# Altium PCB bqZUM_Core_Rev.2.6.PcbDoc (part 1 of 2)
Units mm, origin at the board's own origin, x right, y up, seen from the top; angles counter-clockwise.
Board outline 70.83 x 53.34 mm, 2 copper layers (Top Layer, Bottom Layer), stack 1.27 mm thick; 121 components, 127 nets, 592 pads, 255 vias.
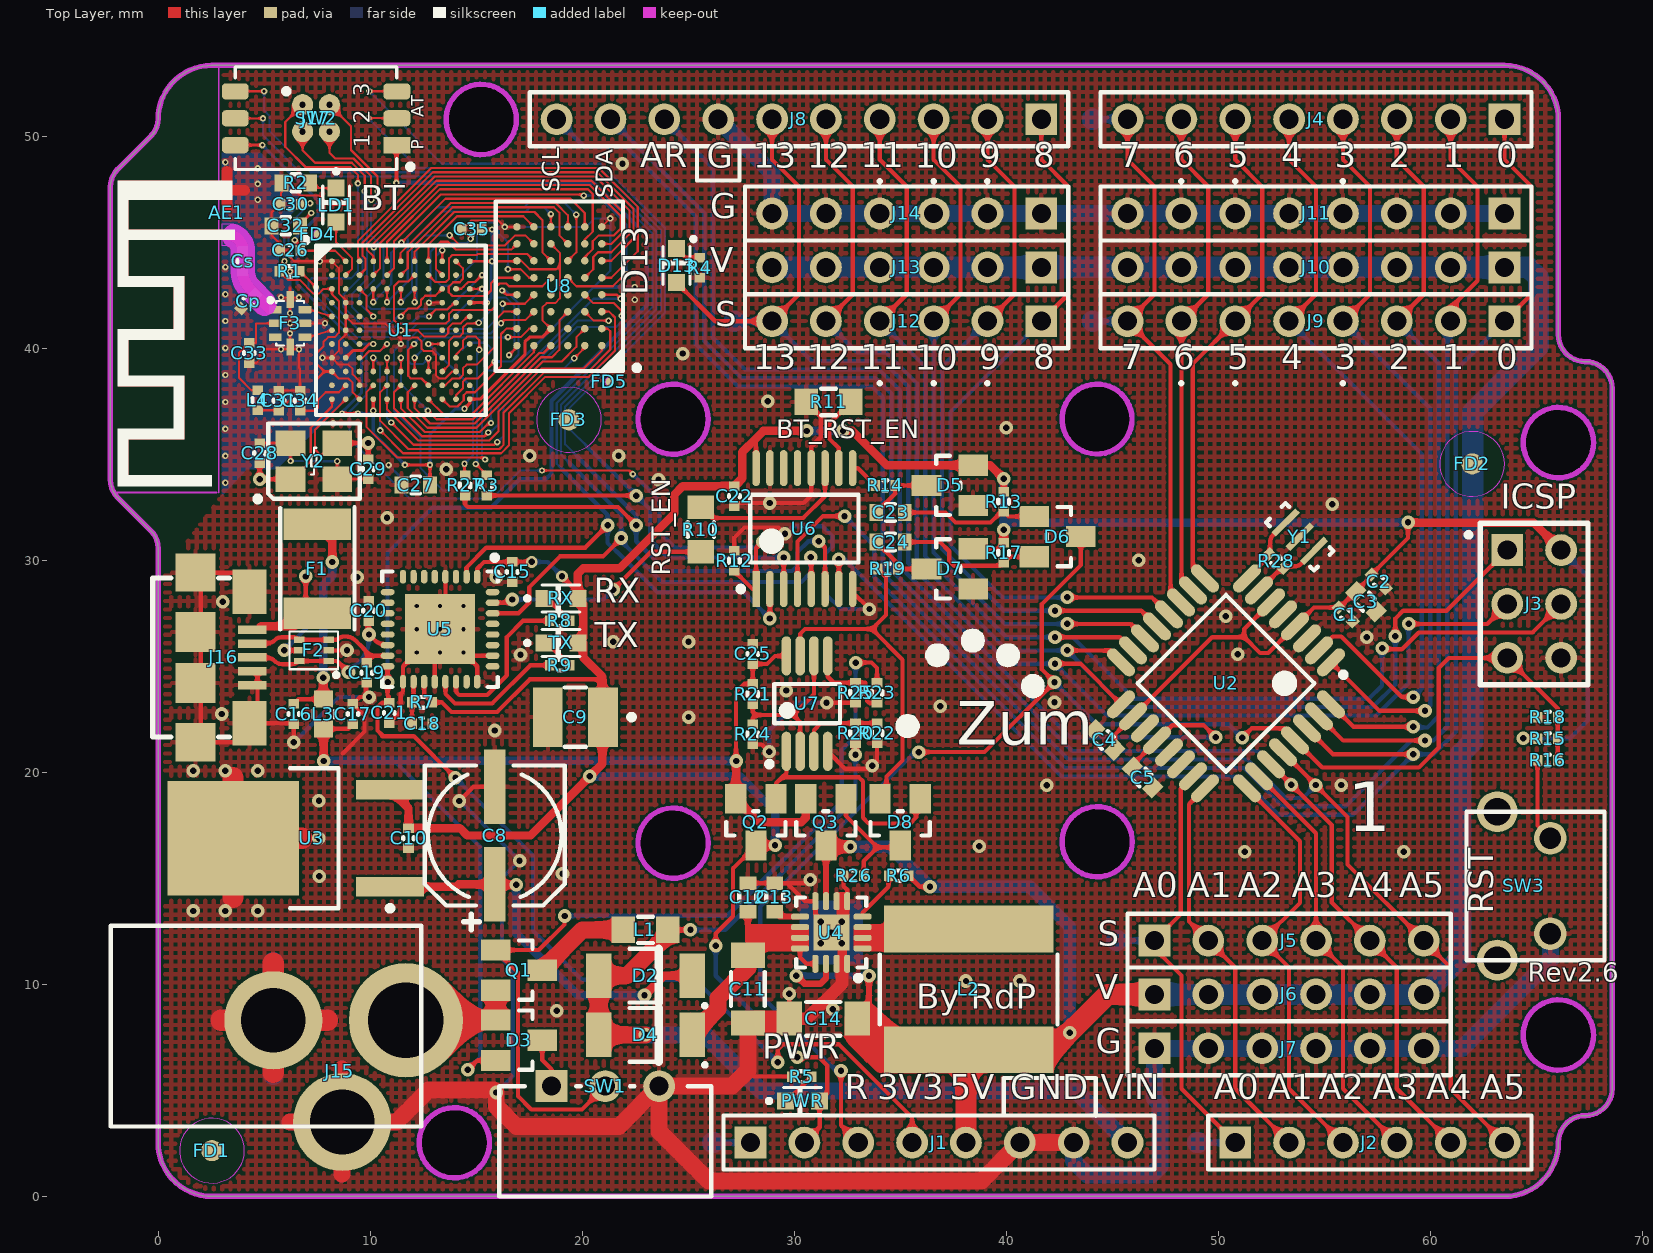
[diagram p0: Top Layer view]
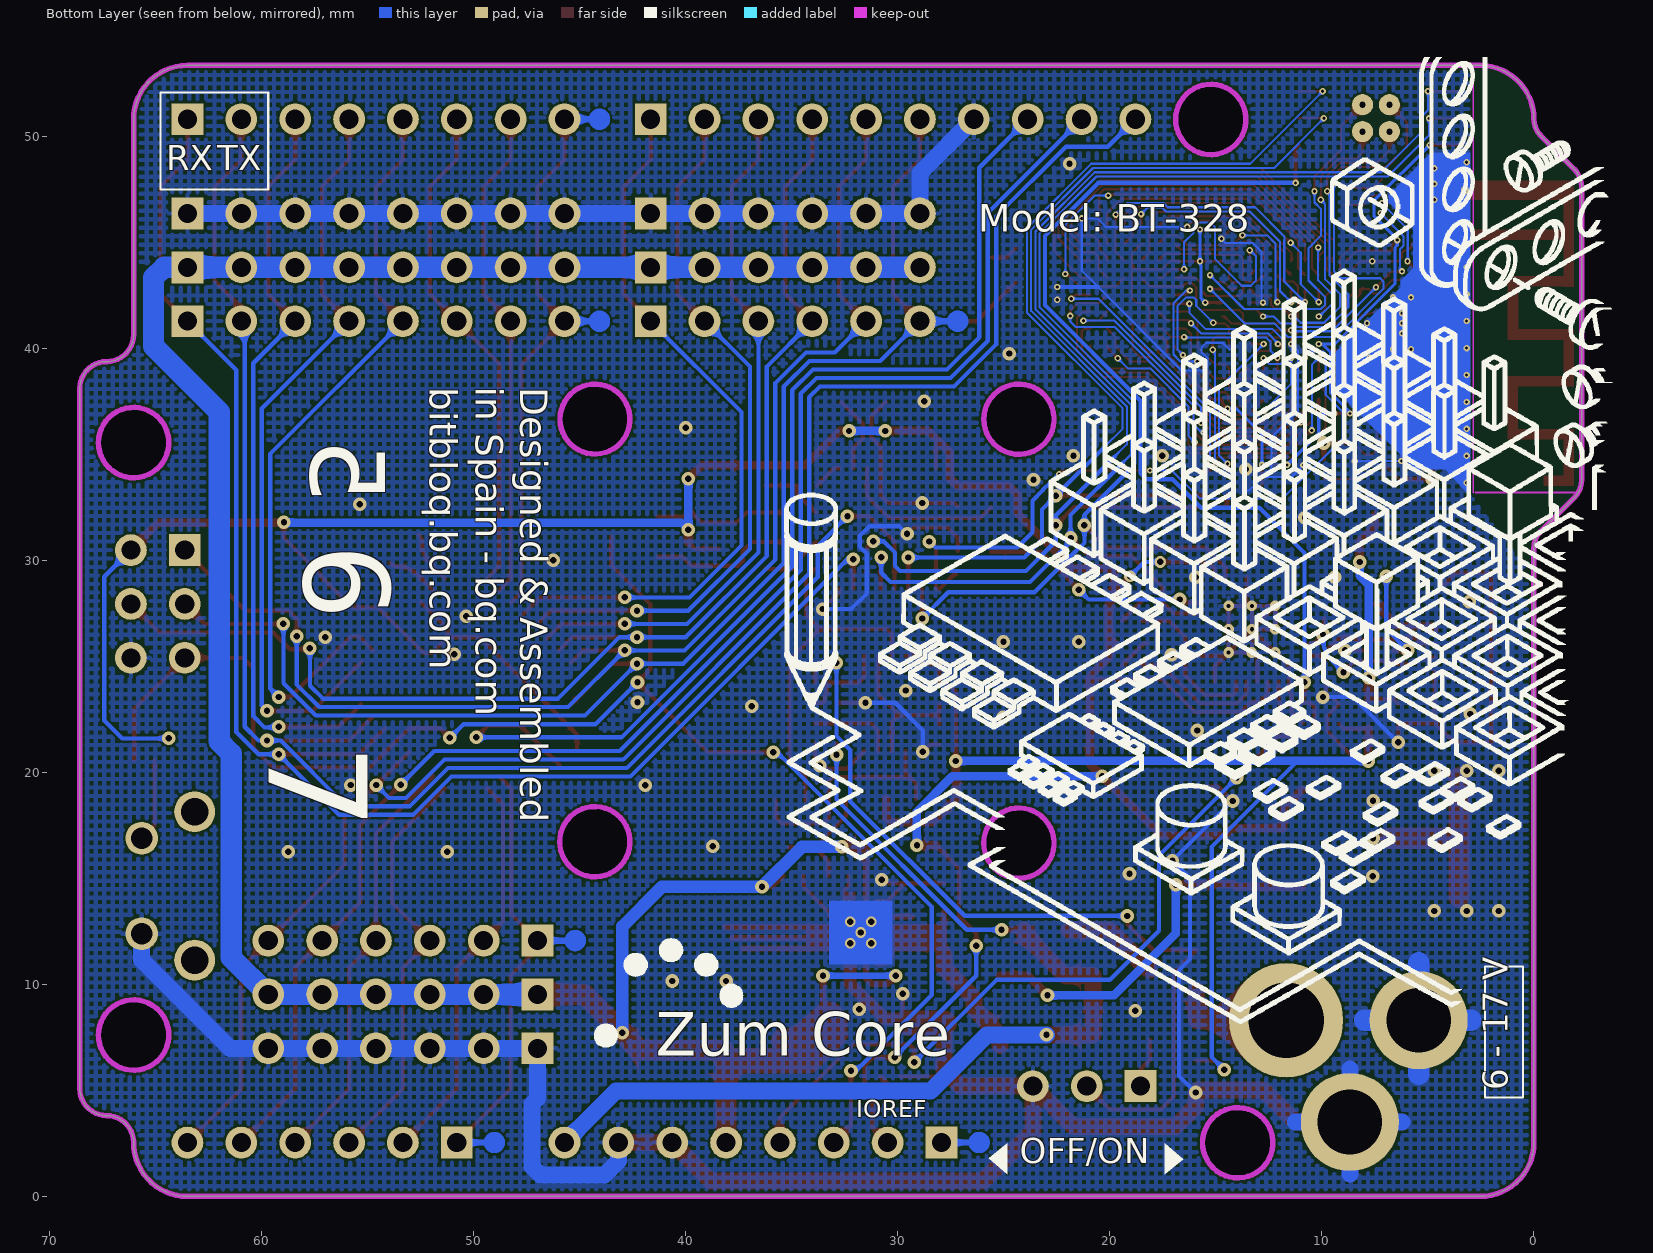
[diagram p1: Bottom Layer view, seen from below]

## Layer stack, top to bottom
Top Solder: solder mask 0.017, Solder Resist, Dk 3.5
Top Layer: signal copper 0.035
Dielectric 1: core 1.2, FR-4, Dk 4.2
Bottom Layer: signal copper 0.035
Bottom Solder: solder mask 0.0102, Solder Resist, Dk 3.5

## Board outline
0,30.6 ccw(c-1.086,30.6) -0.318,31.368 -1.896,32.946 cw(c-1.043,33.8) -2.25,33.8 -2.25,47.6 cw(c-1.043,47.6) -1.896,48.454 -0.318,50.032 ccw(c-1.086,50.8) 0,50.8 cw(c2.54,50.8) 2.54,53.34 63.5,53.34 cw(c63.5,50.8) 66.04,50.8 66.04,40.64 ccw(c67.31,40.64) 67.31,39.37 cw(c67.31,38.1) 68.58,38.1 68.58,5.08 cw(c67.31,5.08) 67.31,3.81 ccw(c67.31,2.54) 66.04,2.54 cw(c63.5,2.54) 63.5,0 2.54,0 cw(c2.54,2.54) 0,2.54
cut-out: 12.319,2.54 ccw(c13.97,2.54) 13.97,0.889 ccw(c13.97,2.54) 15.621,2.54 ccw(c13.97,2.54) 13.97,4.191 ccw(c13.97,2.54)
cut-out: 22.639,36.67 ccw(c24.29,36.67) 24.29,35.019 ccw(c24.29,36.67) 25.941,36.67 ccw(c24.29,36.67) 24.29,38.321 ccw(c24.29,36.67)
cut-out: 42.639,36.67 ccw(c44.29,36.67) 44.29,35.019 ccw(c44.29,36.67) 45.941,36.67 ccw(c44.29,36.67) 44.29,38.321 ccw(c44.29,36.67)
cut-out: 42.639,16.67 ccw(c44.29,16.67) 44.29,15.019 ccw(c44.29,16.67) 45.941,16.67 ccw(c44.29,16.67) 44.29,18.321 ccw(c44.29,16.67)
cut-out: 22.639,16.67 ccw(c24.29,16.67) 24.29,15.019 ccw(c24.29,16.67) 25.941,16.67 ccw(c24.29,16.67) 24.29,18.321 ccw(c24.29,16.67)
cut-out: 13.589,50.8 ccw(c15.24,50.8) 15.24,49.149 ccw(c15.24,50.8) 16.891,50.8 ccw(c15.24,50.8) 15.24,52.451 ccw(c15.24,50.8)
cut-out: 64.389,35.56 ccw(c66.04,35.56) 66.04,33.909 ccw(c66.04,35.56) 67.691,35.56 ccw(c66.04,35.56) 66.04,37.211 ccw(c66.04,35.56)
cut-out: 64.389,7.62 ccw(c66.04,7.62) 66.04,5.969 ccw(c66.04,7.62) 67.691,7.62 ccw(c66.04,7.62) 66.04,9.271 ccw(c66.04,7.62)

## Design rules (kind name [scope] priority, off if disabled: settings)
Clearance Clearance_KO [OnLayer('Keep-Out Layer')] p1: gap=0.1
Clearance [All] p2: gap=0.1
DiffPairsRouting [All] p1: maxlimit=4 minlimit=0.4 mostfreqgap=0.4 toplayer_minwidth=0.2 toplayer_maxwidth=4 toplayer_prefwidth=0.2 bottomlayer_minwidth=0.2 bottomlayer_maxwidth=4 bottomlayer_prefwidth=0.2 maxuncoupledlength=12.7
HoleSize [All] p1: absolutevalues=TRUE maxlimit=3.6 minlimit=0.15 maxpercent=80.000 minpercent=20.000
MinimumSolderMaskSliver [All] p1: minsoldermaskwidth=0.07
PlaneClearance [All] p1: clearance=0.2
PlaneConnect [All] p1: planeconnectstyle=Relief reliefexpansion=0.64 reliefentries=4 reliefconductorwidth=0.3 reliefairgap=0.1
PolygonConnect [(InComponentClass('All Components'))] p1: connectstyle=Relief reliefconductorwidth=0.2 reliefentries=4 polygonreliefangle="90 Angle" airgapwidth=0.15
PolygonConnect PolygonConnect_Via [All] p2: connectstyle=Direct reliefconductorwidth=0.2 reliefentries=4 polygonreliefangle="90 Angle" airgapwidth=0.15
RoutingVias [All] p1: holewidth=0.15 width=0.3 viastyle="Through Hole" minholewidth=0.15 minwidth=0.3 maxholewidth=1 maxwidth=1.5
SilkToBoardRegionClearance [All] p1 off:
SilkToSilkClearance [All] p1: silktosilkclearance=0.05
SilkToSolderMaskClearance [IsPad] p1: minsilkscreentomaskgap=0 clearancetoexposedcopper=TRUE
SolderMaskExpansion [All] p1: expansion=0.05
Width [All] p1: maxlimit=1.6 minlimit=0.1 preferedwidth=0.1
22 further rules are at their usual default settings.

## Classes and differential pairs
component class U_bqZUM_PowerManager: C25 D8 Q2 Q3 R20 R21 R22 R23 R24 R25 R26 U7
component class U_bqZUM_Autoreset: C23 C24 D5 D6 D7 R13 R14 R15 R16 R17 R18 R19 SW3
component class bqZUM_BT_328: FD1 FD2 FD3
net class D[13..0]: D0 D1 D2 D3 D4 D5 D6 D7 D8 D9 D10 D11 D12 D13
net class A[5..0]: A0 A1 A2 A3 A4 A5
component class U_bqZUM_USB: C15 C16 C17 C18 C19 C20 C21 F1 F2 J16 L3 R7 R8 R9 RX TX U5
component class U_bqZUM_usbBtAdapter: C22 R10 R11 R12 SW2 U6
component class U_bqZUM_Power: C8 C9 C10 C11 C12 C13 C14 D2 D3 D4 J15 L1 L2 PWR Q1 R5 R6 SW1 U3 U4
component class U_bqZUM_MCU: C1 C2 C3 C4 C5 D13 G ICSP J1 J2 J3 J4 J5 J6 J7 J9 J10 J11 J12 J13 J14 R4 R28 S U2 V Y1
component class U_bqZUM_Bluetooth: AE1 BT C26 C27 C28 C29 C30 C31 C32 C33 C34 C35 Cp Cs F3 FD4 FD5 J17 L4 LD1 R1 R2 R3 R27 U1 U8 Y2
net class AD[18..0]: AD0 AD1 AD2 AD3 AD4 AD5 AD6 AD7 AD8 AD9 AD10 AD11 AD12 AD13 AD14 AD15 AD16 AD17 AD18
net class DQ[15..0]: DQ0 DQ1 DQ2 DQ3 DQ4 DQ5 DQ6 DQ7 DQ8 DQ9 DQ10 DQ11 DQ12 DQ13 DQ14 DQ15
differential pair USB_MCU: +USB_MCU_P -USB_MCU_N

## Components (designator, comment, footprint, x,y, rotation, side; value= is the part's Value field where it differs from the comment)
AE1 "OrderingCode" IFA_2,45GHZ_50OHM 3.25,45.35 r270 top
C1 "Capacitor" C0402 56.007,27.443 r135 top
C2 "Capacitor" C0402 57.566,28.996 r135 top
C3 "Capacitor" C0603 56.966,28.046 r135 top
C4 "Capacitor" C0603 44.65,21.53 r315 top
C5 "Capacitor" C0603 46.428,19.752 r135 top
C8 "Electrolytic" CASE_D_7.7 15.875,17.018 r90 top
C9 "Tantalum" CASE_B_3528-1411 19.685,22.606 r180 top
C10 "Capacitor" C0402 11.811,16.891 r90 top
C11 "Capacitor" C1206 27.813,9.779 r90 top
C12 "Capacitor" C0603 27.813,14.097 r270 top
C13 "Capacitor" C0603 29.083,14.097 r270 top
C14 "Capacitor" C1206 31.369,8.382 r0 top
C15 "Capacitor" C0402 16.7,29.45 r90 top
C16 "Capacitor" C0402 6.397,22.75 r90 top
C17 "Capacitor" C0402 9.191,22.75 r270 top
C18 "Capacitor" C0402 12.45,22.3 r180 top
C19 "Capacitor" C0402 9.849,24.692 r90 top
C20 "Capacitor" C0402 9.93,27.612 r270 top
C21 "Capacitor" C0402 10.9,22.8 r270 top
C22 "Capacitor" C0402 27.178,33.02 r270 top
C23 "Capacitor" C0603 34.544,32.258 r0 top
C24 "Capacitor" C0603 34.544,30.861 r0 top
C25 "Capacitor" C0402 28.044,25.583 r90 top
C26 "Capacitor" C0402 6.225,44.625 r0 top
C27 "Capacitor" C0603 12.15,33.55 r0 top
C28 "Capacitor" C0402 4.79,35.05 r270 top
C29 "Capacitor" C0402 9.91,34.3 r90 top
C30 "Capacitor" C0402 6.25,46.8 r0 top
C31 "Capacitor" C0402 5.7,37.525 r270 top
C32 "Capacitor" C0603 6.025,45.775 r0 top
C33 "Capacitor" C0402 4.3,39.775 r90 top
C34 "Capacitor" C0402 6.7,37.525 r270 top
C35 "Capacitor" C0402 14.8,45.6 r180 top
Cp "Capacitor" C0402 4.254,42.206 r45 top
Cs "Capacitor" C0402 4,44.1 r270 top
D2 "PMEG3030EP" SOD128 22.987,10.414 r0 top
D3 "BAT54C-G3-08" SOT23-3 17.02,7.365 r90 top
D4 "PMEG3030EP" SOD128 22.987,7.62 r0 top
D5 "BAT54S" SOT23-3 37.338,33.528 r270 top
D6 "BAT54A-G3-08" SOT23-3 42.418,31.115 r90 top
D7 "BAT54S" SOT23-3 37.338,29.591 r270 top
D8 "BAT54C-G3-08" SOT23-3 34.999,17.653 r0 top
D13 "Green" LED0603 24.45,43.9 r180 top
F1 "PTC_Fuse" F1812 7.51,29.6 r90 top
F2 "ESDUSB" SOT563 7.35,25.75 r180 top
F3 "BP_Filter_Balun" 2450FB15K0005 6.225,41.175 r90 top
FD1 "Fiducial" Fiducial 2.54,2.159 r0 top
FD2 "Fiducial" Fiducial 61.976,34.544 r0 top
FD3 "Fiducial" Fiducial 19.375,36.625 r0 top
FD4 "Fiducial" Fiducial_Local_0.4mm 7.525,45.375 r90 top
FD5 "Fiducial" Fiducial_Local_0.4mm 21.285,38.416 r90 top
J1 "1x8 Socket Header 2.54mm" "1x8 Socket Header THT 2.54mm" 27.94,2.54 r0 top
J2 "1x6 Socket Header 2.54mm" "1x6 Socket Header THT 2.54mm" 50.8,2.54 r0 top
J3 "2x3 pin Header 2.54mm" "2x3 Pin Header 2.54" 63.627,30.48 r270 top
J4 "1x8 Socket Header 2.54mm" "1x8 Socket Header THT 2.54mm" 63.5,50.8 r180 top
J5 "1x6 pin Header 2.54mm" "1x6 Pin Header 2.54" 46.99,12.065 r0 top
J6 "1x6 pin Header 2.54mm" "1x6 Pin Header 2.54" 46.99,9.525 r0 top
J7 "1x6 pin Header 2.54mm" "1x6 Pin Header 2.54" 46.99,6.985 r0 top
J8 "1x10 Socket Header 2.54mm" "1x10 Socket Header THT 2.54mm" 41.656,50.8 r180 top
J9 "1x8 pin Header 2.54mm" "1x8 Pin Header 2.54" 63.5,41.275 r180 top
J10 "1x8 pin Header 2.54mm" "1x8 Pin Header 2.54" 63.5,43.815 r180 top
J11 "1x8 pin Header 2.54mm" "1x8 Pin Header 2.54" 63.5,46.355 r180 top
J12 "1x6 pin Header 2.54mm" "1x6 Pin Header 2.54" 41.656,41.275 r180 top
J13 "1x6 pin Header 2.54mm" "1x6 Pin Header 2.54" 41.656,43.815 r180 top
J14 "1x6 pin Header 2.54mm" "1x6 Pin Header 2.54" 41.656,46.355 r180 top
J15 "Power_Jack" "Jack 2.1" 11.684,8.306 r270 top
J16 "USB_Micro_Type_B" USB_Micro_B 3.1,25.417 r270 top
J17 "2x2 Header 1.27mm" "2x2 Header THT 1.27mm" 7.45,50.85 r270 top
L1 "742792012" L0805 22.987,12.573 r0 top
L2 "2,2uH 6,3A" SRN8040 38.23,9.76 r270 top
L3 "BLM18SG121TN1D" L0603 7.794,22.75 r270 top
L4 "15nH 0,3A" L0402 4.7,37.55 r270 top
LD1 "Blue" LED0603 8.4,46.75 r180 top
PWR "Green" LED0603 30.4,4.5 r270 top
Q1 "DMP3098L-7" SOT23-3 17.019,10.668 r90 top
Q2 "DMP2035U-7" SOT23-3 28.194,17.653 r0 top
Q3 "DMP2035U-7" SOT23-3 31.496,17.653 r0 top
R1 "Resistor" R0402 6.2,43.625 r180 top
R2 "Resistor" R0603 6.5,47.8 r0 top
R3 "Resistor" R0402 15.494,33.528 r270 top
R4 "Resistor" R0402 25.55,43.8 r90 top
R5 "Resistor" R0402 30.35,5.65 r0 top
R6 "Resistor" R0402 34.925,15.125 r0 top
R7 "Resistor" R0402 12.45,23.3 r0 top
R8 "Resistor" R0402 18.95,27.15 r0 top
R9 "Resistor" R0402 18.95,25.05 r0 top
R10 "Resistor" R0805 25.6,31.45 r90 top
R11 "Resistor" R0805 31.623,37.465 r0 top
R12 "Resistor" R0402 27.178,29.972 r270 top
R13 "Resistor" R0402 39.878,32.766 r90 top
R14 "Resistor" R0402 34.29,33.528 r0 top
R15 "Resistor" R0402 65.532,21.59 r180 top
R16 "Resistor" R0402 65.532,20.574 r0 top
R17 "Resistor" R0402 39.878,30.353 r90 top
R18 "Resistor" R0402 65.532,22.606 r0 top
R19 "Resistor" R0402 34.417,29.591 r0 top
R20 "Resistor" R0402 32.893,21.844 r270 top
R21 "Resistor" R0402 28.044,23.69 r90 top
R22 "Resistor" R0402 33.911,21.844 r90 top
R23 "Resistor" R0402 33.906,23.749 r90 top
R24 "Resistor" R0402 28.044,21.79 r90 top
R25 "Resistor" R0402 32.893,23.749 r90 top
R26 "Resistor" R0402 32.802,15.125 r0 top
R27 "Resistor" R0402 14.478,33.528 r270 top
R28 "Resistor" R0402 52.736,29.962 r315 top
RX "Green" LED0603 19,28.2 r270 top
SW1 "SPDT Switch" "Slide SW SPDT Right Angle" 18.55,5.2 r0 top
SW2 "SW DIP3 Vertical SMD" "SW DIP3 SMD 1.27" 7.45,50.845 r90 top
SW3 "Switch" SW_Vert_THT_7.5x6x6.5 65.659,16.891 r270 top
TX "Red" LED0603 19,26.1 r270 top
U1 "BC417143B-GIQN-E4" TFBGA96P8X8 11.45,40.85 r0 top
U2 "ATMEGA328P" TQFP32 50.365,24.197 r225 top
U3 "TL720M05QKVURQ1" TO-252 5.461,16.891 r180 top
U4 "TPS62133RGTR" QFN16 31.75,12.446 r180 top
U5 "FT232RQ R" QFN32 13.3,26.75 r270 top
U6 "SN74CBT3257CPWR" TSSOP16 30.48,31.496 r0 top
U7 "LMV612MM/NOPB" VSSOP8 30.607,23.241 r90 top
U8 "MX29LV800CBXEC-70G" TFBGA48P6X8 18.925,42.925 r180 top
Y1 "CSTCE16M0V53-R0" Resonator_1.3x3.2 53.848,31.115 r315 top
Y2 "403C11A26M00000" "XTAL 3.2x2.5" 7.35,34.675 r0 top

## Footprints (in the part's own frame and the unit in brackets; to place one, negate y for a bottom-side part, rotate by r counter-clockwise, add the part's x,y. Pads: shape width x height; smd on the part's side, far side on the other; paste and mask are expansions set on the pad)
"1x6 Pin Header 2.54" [mm] "6 pin Header pitch 2.54mm"
  rect 1.5x1.5 hole 0.9: 1(0,0)
  round 1.5 hole 0.9: 2(2.54,0) 3(5.08,0) 4(7.62,0) 5(10.16,0) 6(12.7,0)
  silkscreen extent -1.27,-1.27 13.97,1.27, body extent -1.26,-1.25 13.98,1.29, height 8.43
"1x6 Socket Header THT 2.54mm" [mm] "6 Socket Header pitch 2.54mm"
  rect 1.5x1.5 hole 0.9: 1(0,0)
  round 1.5 hole 0.9: 2(2.54,0) 3(5.08,0) 4(7.62,0) 5(10.16,0) 6(12.7,0)
  silkscreen extent -1.27,-1.27 13.97,1.27, body extent -1.39,-1.25 14.1,1.25, height 8.5
"1x8 Pin Header 2.54" [mm] "8 pin Header pitch 2.54mm"
  rect 1.5x1.5 hole 0.9: 1(0,0)
  round 1.5 hole 0.9: 2(2.54,0) 3(5.08,0) 4(7.62,0) 5(10.16,0) 6(12.7,0) 7(15.24,0) 8(17.78,0)
  silkscreen extent -1.27,-1.27 19.05,1.27, body extent -1.26,-1.25 19.06,1.29, height 8.43
"1x8 Socket Header THT 2.54mm" [mm] "8 Socket Header pitch 2.54mm"
  rect 1.5x1.5 hole 0.9: 1(0,0)
  round 1.5 hole 0.9: 2(2.54,0) 3(5.08,0) 4(7.62,0) 5(10.16,0) 6(12.7,0) 7(15.24,0) 8(17.78,0)
  silkscreen extent -1.27,-1.27 19.05,1.27, body extent -1.4,-1.23 19.17,1.27, height 8.5
"1x10 Socket Header THT 2.54mm" [mm] "10 Socket Header pitch 2.54mm"
  rect 1.5x1.5 hole 0.9: 1(0,0)
  round 1.5 hole 0.9: 2(2.54,0) 3(5.08,0) 4(7.62,0) 5(10.16,0) 6(12.7,0) 7(15.24,0) 8(17.78,0) 9(20.32,0) 10(22.86,0)
  silkscreen extent -1.27,-1.27 24.13,1.27, body extent -1.4,-1.27 24.26,1.23, height 8.5
"2x2 Header THT 1.27mm" [mm] "4 dual pin Header THT pitch 1.27mm"
  round 1 hole 0.3 mask+0.08: 1(-0.635,-0.635) 2(-0.635,0.635) 3(0.635,-0.635) 4(0.635,0.635)
  silkscreen extent -1.39,-1.52 -1.15,-1.28
"2x3 Pin Header 2.54" [mm] "6 dual pin Header pitch 2.54mm"
  rect 1.5x1.5 hole 0.9: 1(0,0)
  round 1.5 hole 0.9: 2(0,2.54) 3(2.54,0) 4(2.54,2.54) 5(5.08,0) 6(5.08,2.54)
  silkscreen extent -1.27,-1.27 6.35,3.81, body extent -1.25,-1.27 6.37,3.81, height 5.94
2450FB15K0005 [mm] "2.4 to 2.5 GHz Band Pass Filter Balun"
  rrect10% 0.35x0.6 smd: 1(0.65,0.7) 2(0,0.7) 3(-0.65,0.7) 5(-0.65,-0.7) 6(0,-0.7) 7(0.65,-0.7)
  rrect10% 0.8x0.35 smd: 4(-1.125,0) 8(1.125,0)
  silkscreen extent -1.05,-0.65 1.19,1.02, body extent -1,-0.62 1,0.63, height 0.8
C0402 [mm] "Chip Capacitor, Body 1.0x0.5mm, IPC High Density"
  rect 0.45x0.5 smd: 1(-0.475,0) 2(0.475,0)
  silkscreen extent -0.05,-0.25 0.05,0.25, body extent -0.51,-0.25 0.49,0.25, height 0.5
C0603 [mm] "Chip Capacitor, Body 1.6x0.8mm, IPC High Density"
  rect 0.65x0.8 smd: 1(-0.675,0) 2(0.675,0)
  silkscreen extent -0.2,-0.4 0.2,0.4, body extent -0.81,-0.4 0.79,0.4, height 0.6
C1206 [mm] "Chip Capacitor, Body 3.2x1.6mm, IPC High Density"
  rect 1.2x1.6 smd: 1(-1.6,0) 2(1.6,0)
  silkscreen extent -0.8,-0.8 0.8,0.79, body extent -1.59,-0.8 1.61,0.8, height 1
CASE_B_3528-1411 [mm] "Capacitor, SM Tantalum; Body 3.5 x 2.8 mm (LxW typ)"
  rect 1.4x2.8 smd: 1(-1.3,0) 2(1.3,0)
  silkscreen extent -2.74,-1.4 0.5,1.4, body extent -1.75,-1.4 1.75,1.4, height 1.9
CASE_D_7.7 [mm] "SMD Al Capacitor, Flat 6.6x6.6mm, Diameter 6.3mm"
  rect 3.5x1 smd: 1(-2.3,0) 2(2.3,0)
  silkscreen extent -3.3,-3.3 3.3,3.3, body extent -3.5,-3.3 3.5,3.3, height 7.7
F1812 [mm] "PTC Resettable Fuse 1812 package  4.55mm x 3.24mm"
  rect 1.5x3.2 smd: 1(-2.1,0) 2(2.1,0)
  silkscreen extent -2.87,-1.75 2.9,1.75, body extent -2.36,-1.7 2.37,1.71, height 1.34
Fiducial [mm] "Marcas Fiduciales para montador"
  round 1 smd paste+0 mask+0.85: ""(0,0)
  Top Layer keep-out circle w0.05: c0,0 r1.53
Fiducial_Local_0.4mm [mm] "Marca Fiducial local para montador"
  round 0.4 smd paste+0 mask+0: ""(0,0)
  Top Layer keep-out circle w0.05: c0,0 r0.21
IFA_2,45GHZ_50OHM [mm] "Inverted F Antenna, 2.45GHz, 50 Ohm, 15.2 x 5.7mm"
  rect 0x0 smd paste+0 mask+0: FEED(0,0)
  round 0.4 hole 0.2 mask-0.2: GND(-2.1,0)
  Top Layer region: -0.249,-4.65 0.251,-4.65 0.251,0.25 -0.249,0.25
  Top Layer region: -2.55,-4.65 -1.65,-4.65 -1.65,0.25 -2.55,0.25
  Top Layer region: -2.55,-5.15 2.45,-5.15 2.45,-4.65 -2.55,-4.65
  Top Layer region: 1.95,-4.65 2.45,-4.65 2.45,-2.009 1.95,-2.009
  Top Layer region: 2.45,-2.511 4.451,-2.511 4.451,-2.011 2.45,-2.011
  Top Layer region: 4.451,-4.65 4.951,-4.65 4.951,-2.01 4.451,-2.01
  Top Layer region: 4.45,-5.15 7.15,-5.15 7.15,-4.65 4.45,-4.65
  Top Layer region: 6.65,-4.65 7.15,-4.65 7.15,-2.01 6.65,-2.01
  Top Layer region: 7.15,-2.51 9.15,-2.51 9.15,-2.01 7.15,-2.01
  Top Layer region: 9.15,-4.65 9.65,-4.65 9.65,-2.01 9.15,-2.01
  Top Layer region: 9.15,-5.15 11.85,-5.15 11.85,-4.65 9.15,-4.65
  Top Layer region: 11.35,-4.65 11.85,-4.65 11.85,-3.7 11.35,-3.7
  Keep-Out Layer lines w0.08: 12.15,-5.44 12.15,-0.49 ; 12.15,-0.39 0.577,-0.39
"Jack 2.1" [mm] "DC Power Jack 2,1mm"
  round 5.38 hole 3.56: 1(0,0)
  round 4.62 hole 3.05: 2(4.8,-3) 3(0,-6.25)
  silkscreen extent -4.46,-13.91 5.01,0.73, body extent -4.44,-13.86 5.08,0.74, height 10.92
L0402 [mm] "Chip Inductor, Body 1.0x0.5mm, IPC High Density"
  rect 0.45x0.5 smd: 1(-0.475,0) 2(0.475,0)
  silkscreen extent -0.1,-0.25 0.1,0.25, body extent -0.5,-0.25 0.5,0.25, height 0.3
L0603 [mm] "Chip Inductor, Body 1.6x0.8mm, IPC High Density"
  rect 0.8x0.9 smd: 1(-0.7,0) 2(0.7,0)
  silkscreen extent -0.21,-0.5 0.21,0.5, body extent -0.81,-0.4 0.79,0.4, height 0.6
L0805 [mm] "Chip Inductor Body 2.0x1.25mm, IPC High Density"
  rect 1.1x1.25 smd: 1(-1.05,0) 2(1.05,0)
  silkscreen extent -0.35,-0.62 0.35,0.62, body extent -0.98,-0.62 1.02,0.63, height 0.78
LED0603 [mm] "0603 1.6x0.8mm"
  rect 0.8x0.8 smd: A(0,0.8) K(0,-0.8)
  silkscreen extent -0.9,-1.35 0.64,0.89, body extent -0.37,-0.81 0.36,0.84, height 0.68
QFN16 [mm] "QFN 16-Lead, 3x3mm body, IPC Medium Density"
  rrect70% 0.85x0.28 smd mask+0.07: 1(-1.475,0.75) 2(-1.475,0.25) 3(-1.475,-0.25) 4(-1.475,-0.75) 9(1.475,-0.75) 10(1.475,-0.25) 11(1.475,0.25) 12(1.475,0.75)
  rrect70% 0.28x0.85 smd mask+0.07: 5(-0.75,-1.475) 6(-0.25,-1.475) 7(0.25,-1.475) 8(0.75,-1.475) 13(0.75,1.475) 14(0.25,1.475) 15(-0.25,1.475) 16(-0.75,1.475)
  rect 1.7x1.7 smd mask+0.05: 16(0,0)
  silkscreen extent -1.65,-1.65 1.65,2.28, body extent -1.5,-1.5 1.5,1.5, height 0.9
QFN32 [mm] "QFN, 32-Leads, Body 5x5mm, Pitch 0.5mm, Thermal Pad 3.3x3.3mm, IPC High Density"
  oval 0.65x0.3 smd mask+0.05: 1(-2.475,1.75) 2(-2.475,1.25) 3(-2.475,0.75) 4(-2.475,0.25) 5(-2.475,-0.25) 6(-2.475,-0.75) 7(-2.475,-1.25) 8(-2.475,-1.75) 17(2.475,-1.75) 18(2.475,-1.25) 19(2.475,-0.75) 20(2.475,-0.25) 21(2.475,0.25) 22(2.475,0.75) 23(2.475,1.25) 24(2.475,1.75)